# Altium PCB DriversBoard_Bigger.PcbDoc
Units mil, origin at the board's own origin, x right, y up, seen from the top; angles counter-clockwise.
Board outline 5390 x 4470 mil, 2 copper layers (Top Layer, Bottom Layer); 21 components, 0 nets, 175 pads, 12 vias.
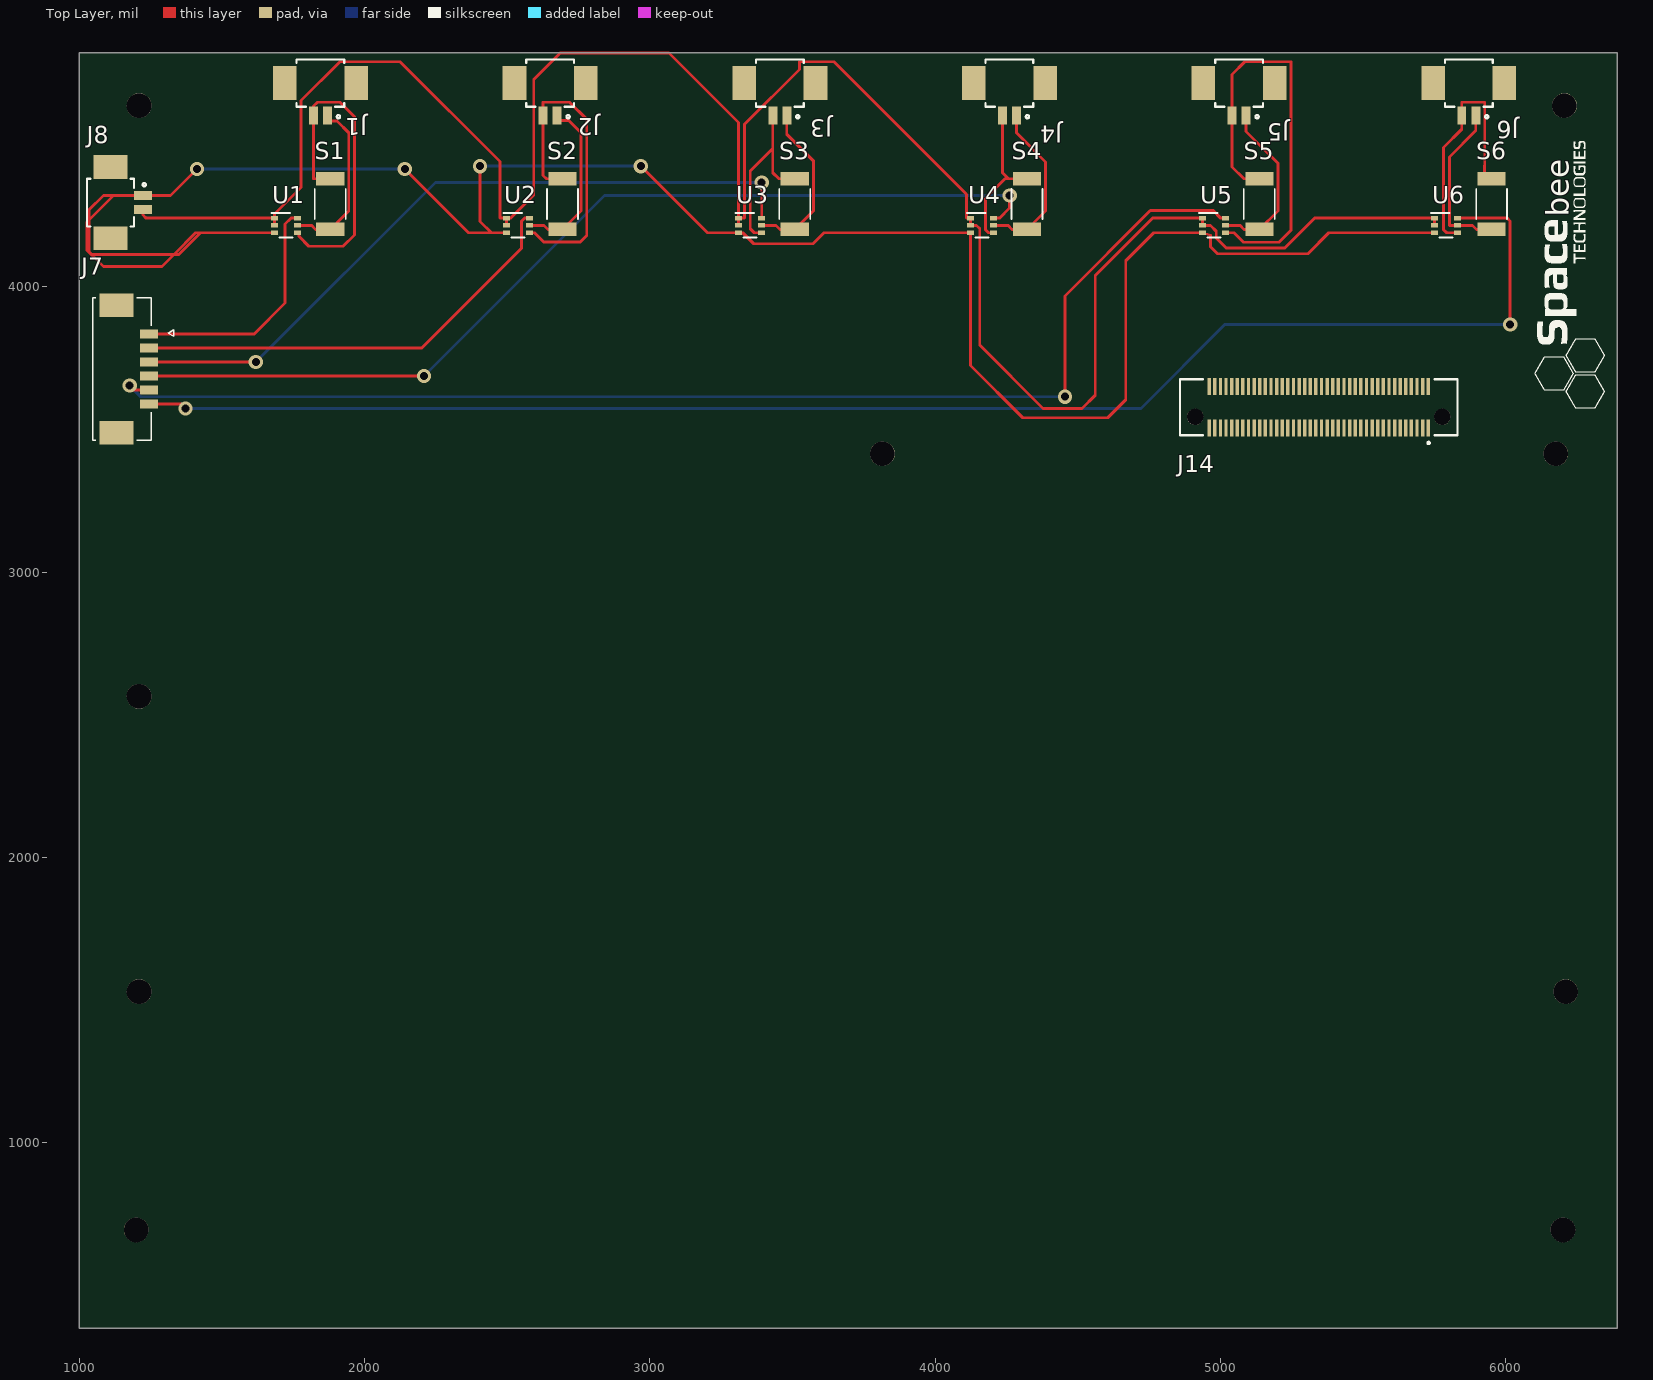
[diagram p0: Top Layer view]
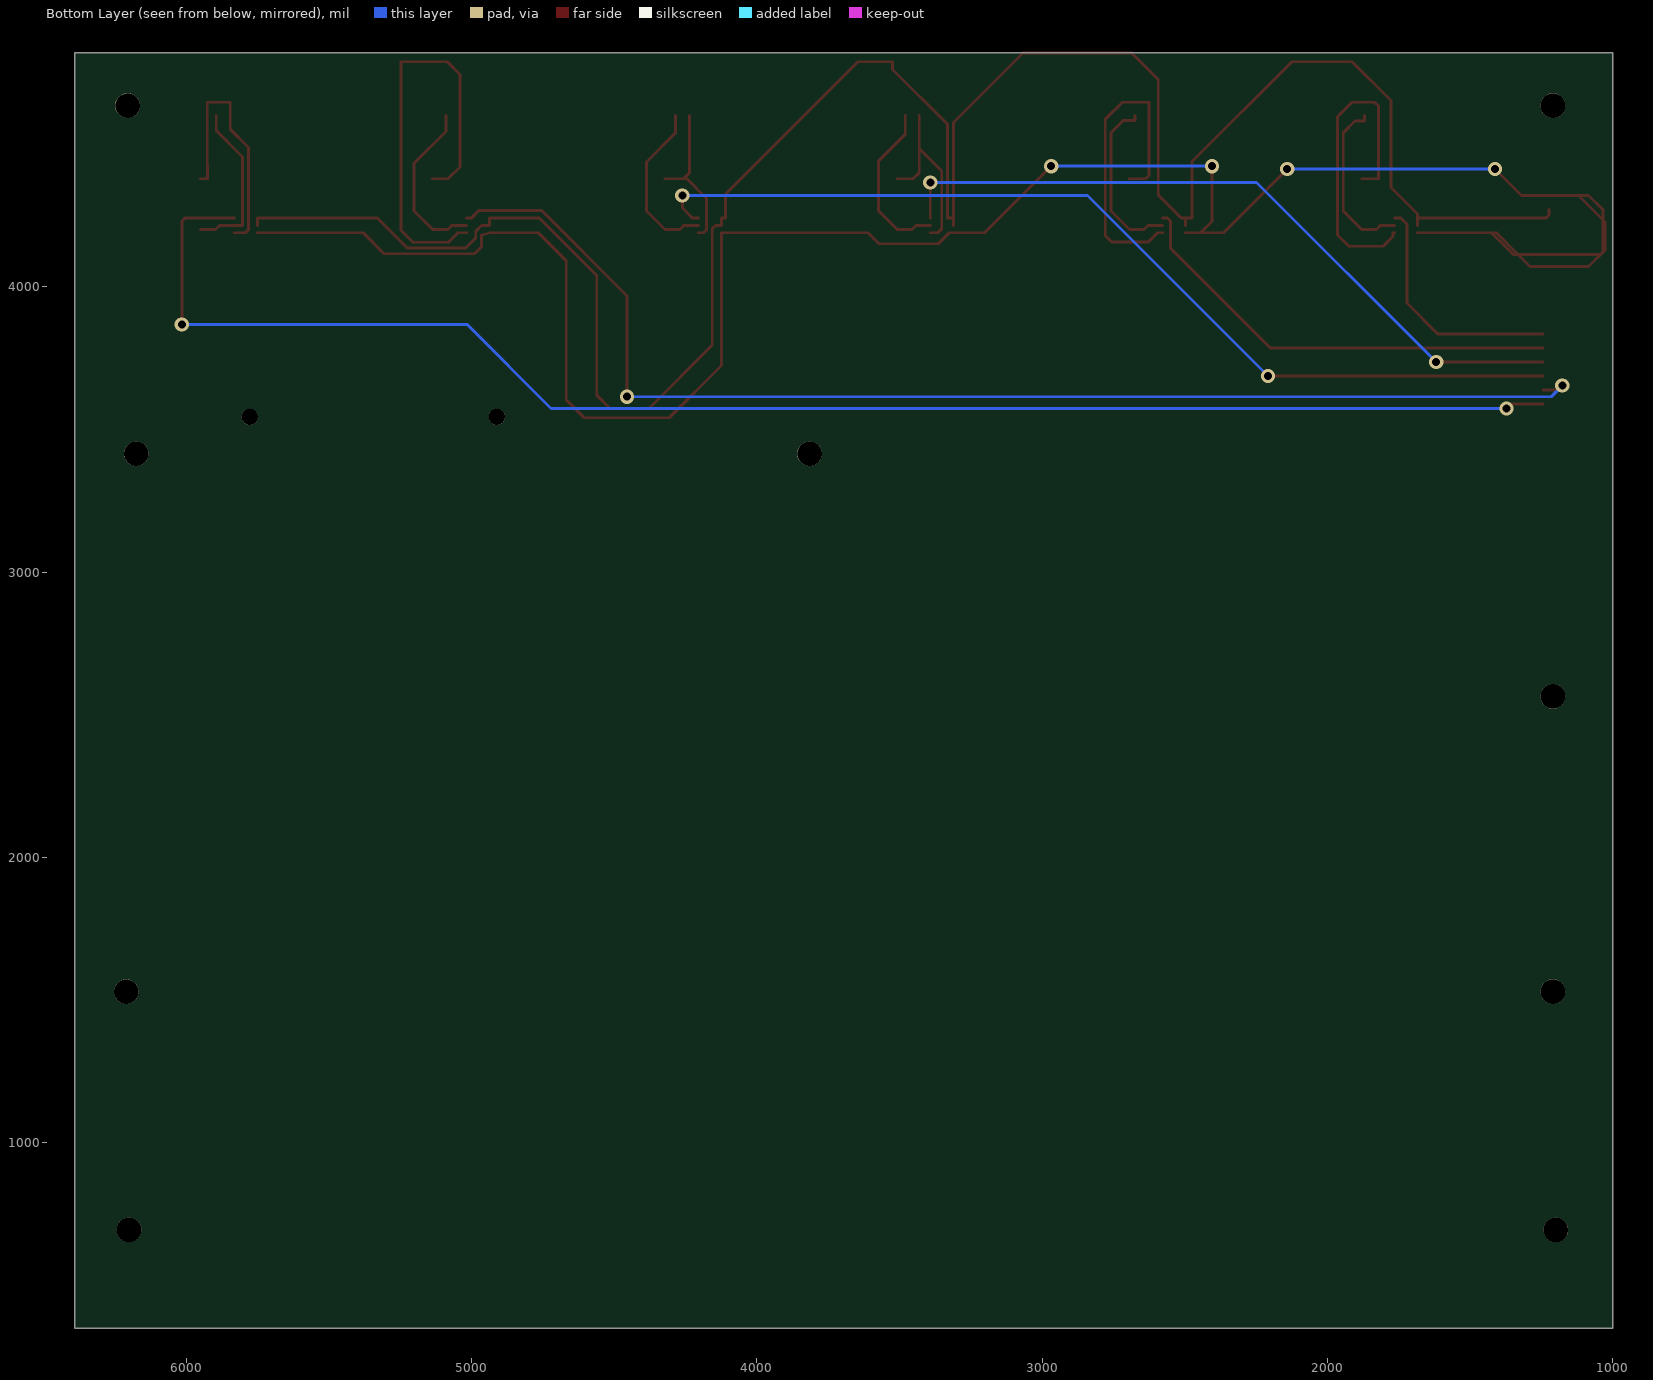
[diagram p1: Bottom Layer view, seen from below]

## Layer stack, top to bottom
Top Solder: solder mask 0.4, Solder Resist, Dk 3.5
Top Layer: signal copper 1.4
Dielectric 1: dielectric 12.6, FR-4, Dk 4.8
Bottom Layer: signal copper 1.4
Bottom Solder: solder mask 0.4, Solder Resist, Dk 3.5

## Board outline
1000,350 6390,350 6390,4820 1000,4820

## Design rules (kind name [scope] priority, off if disabled: settings)
Clearance [All] p1: gap=10 ignorepadtopadclearanceinfootprint=FALSE except(0: Arc-Hole Track-Hole SMDPad-Hole THPad-Hole Via-Hole Fill-Hole Poly-Hole Region-Hole Text-Hole)
PolygonConnect [All] p1: connectstyle=Relief reliefconductorwidth=10 reliefentries=4 polygonreliefangle="90 Angle" airgapwidth=10
RoutingVias [All] p1: holewidth=28 width=50 viastyle="Through Hole" minholewidth=28 minwidth=50 maxholewidth=28 maxwidth=50
SolderMaskExpansion [All] p1: expansion=4
Width [All] p1: maxlimit=10 minlimit=10 preferedwidth=10
30 further rules are at their usual default settings.

## Components (designator, comment, footprint, x,y, rotation, side; value= is the part's Value field where it differs from the comment)
J1 "TSW-102-05-T-S" MOLEX_53261-0271 1845.79,4714.17 r180 top
J2 "TSW-102-05-T-S" MOLEX_53261-0271 2650.63,4714.17 r180 top
J3 "TSW-102-05-T-S" MOLEX_53261-0271 3455.47,4714.17 r180 top
J4 "TSW-102-05-T-S" MOLEX_53261-0271 4260.31,4714.17 r180 top
J5 "TSW-102-05-T-S" MOLEX_53261-0271 5065.16,4714.17 r180 top
J6 "TSW-102-05-T-S" MOLEX_53261-0271 5870,4714.17 r180 top
J7 "Header 6" MOLEX_532610671 1150.51,3711.97 r270 top
J8 "TSW-102-05-T-S" MOLEX_53261-0271 1110,4295 r270 top
J14 "LSHM-140-02.5-L-DV-A-N-K-TR" SAMTEC_LSHM-140-02.5-L-DV-A-N-K-TR 5344.21,3577.83 r0 top
S1 "WSL2010R2000FEA18" RC2010N_VIS 1880,4290 r90 top
S2 "WSL2010R2000FEA18" RC2010N_VIS 2694,4290 r90 top
S3 "WSL2010R2000FEA18" RC2010N_VIS 3508,4290 r90 top
S4 "WSL2010R2000FEA18" RC2010N_VIS 4322,4290 r90 top
S5 "WSL2010R2000FEA18" RC2010N_VIS 5136,4290 r90 top
S6 "WSL2010R2000FEA18" RC2010N_VIS 5950,4290 r90 top
U1 "INA210BQDCKRQ1" DCK0006A_L 1725,4215 r0 top
U2 "INA210BQDCKRQ1" DCK0006A_L 2538,4215 r0 top
U3 "INA210BQDCKRQ1" DCK0006A_L 3351,4215 r0 top
U4 "INA210BQDCKRQ1" DCK0006A_L 4164,4215 r0 top
U5 "INA210BQDCKRQ1" DCK0006A_L 4977,4215 r0 top
U6 "INA210BQDCKRQ1" DCK0006A_L 5790,4215 r0 top

## Footprints (in the part's own frame and the unit in brackets; to place one, negate y for a bottom-side part, rotate by r counter-clockwise, add the part's x,y. Pads: shape width x height; smd on the part's side, far side on the other; paste and mask are expansions set on the pad)
DCK0006A_L [mm]
  rect 0.65x0.4 smd paste+0 mask+0.051: 1(-1.025,0.65) 2(-1.025,0) 3(-1.025,-0.65) 4(1.025,-0.65) 5(1.025,0) 6(1.025,0.65)
  silkscreen extent -1.3,-1.07 0.55,1.1, body extent -0.64,-1.02 0.64,1.02, height 1.1
MOLEX_53261-0271 [mm]
  rect 0.8x1.6 smd: 1(-0.625,2.9) 2(0.625,2.9)
  rect 2.1x3 smd: P1(-3.175,0) P2(3.175,0)
  silkscreen extent -2.12,-2.1 2.12,3.14, body extent -3.82,-2.12 3.83,3.08, height 3.23
MOLEX_532610671 [mm]
  rect 0.8x1.6 smd mask+0: 1(-3.125,2.4) 2(-1.875,2.4) 3(-0.625,2.4) 4(0.625,2.4) 5(1.875,2.4) 6(3.125,2.4)
  rect 2.1x3 smd mask+0: S1(-5.675,-0.5) S2(5.675,-0.5)
  silkscreen extent -6.32,-2.6 6.33,4.61, body extent -6.32,-2.63 6.33,2.57, height 3.38
RC2010N_VIS [mm]
  rect 1.206x2.5 smd paste+0 mask+0: 1(-2.253,0) 2(2.253,0)
  silkscreen extent -1.34,-1.38 1.34,1.38, body extent -2.5,-1.25 2.5,1.25, height 0.71
SAMTEC_LSHM-140-02.5-L-DV-A-N-K-TR [mm]
  rect 0.3x1.5 smd: 01(9.75,-1.85) 02(9.75,1.85) 03(9.25,-1.85) 04(9.25,1.85) 05(8.75,-1.85) 06(8.75,1.85) 07(8.25,-1.85) 08(8.25,1.85) 09(7.75,-1.85) 10(7.75,1.85) 11(7.25,-1.85) 12(7.25,1.85) 13(6.75,-1.85) 14(6.75,1.85) 15(6.25,-1.85) 16(6.25,1.85) 17(5.75,-1.85) 18(5.75,1.85) 19(5.25,-1.85) 20(5.25,1.85) 21(4.75,-1.85) 22(4.75,1.85) 23(4.25,-1.85) 24(4.25,1.85) 25(3.75,-1.85) 26(3.75,1.85) 27(3.25,-1.85) 28(3.25,1.85) 29(2.75,-1.85) 30(2.75,1.85) 31(2.25,-1.85) 32(2.25,1.85) 33(1.75,-1.85) 34(1.75,1.85) 35(1.25,-1.85) 36(1.25,1.85) 37(0.75,-1.85) 38(0.75,1.85) 39(0.25,-1.85) 40(0.25,1.85) 41(-0.25,-1.85) 42(-0.25,1.85) 43(-0.75,-1.85) 44(-0.75,1.85) 45(-1.25,-1.85) 46(-1.25,1.85) 47(-1.75,-1.85) 48(-1.75,1.85) 49(-2.25,-1.85) 50(-2.25,1.85) 51(-2.75,-1.85) 52(-2.75,1.85) 53(-3.25,-1.85) 54(-3.25,1.85) 55(-3.75,-1.85) 56(-3.75,1.85) 57(-4.25,-1.85) 58(-4.25,1.85) 59(-4.75,-1.85) 60(-4.75,1.85) 61(-5.25,-1.85) 62(-5.25,1.85) 63(-5.75,-1.85) 64(-5.75,1.85) 65(-6.25,-1.85) 66(-6.25,1.85) 67(-6.75,-1.85) 68(-6.75,1.85) 69(-7.25,-1.85) 70(-7.25,1.85) 71(-7.75,-1.85) 72(-7.75,1.85) 73(-8.25,-1.85) 74(-8.25,1.85) 75(-8.75,-1.85) 76(-8.75,1.85) 77(-9.25,-1.85) 78(-9.25,1.85) 79(-9.75,-1.85) 80(-9.75,1.85)
  round 1.45 hole 1.45 unplated: ""(-11,-0.85) ""(11,-0.85)
  silkscreen extent -12.35,-3.27 12.35,2.49, body extent -12.48,-2.49 12.32,2.49, height 3.95

## Part data
J1 J2 J3 J4 J5 J6 J8: "No Description Available", Mfr_Name="Samtec Inc", Copyright="Copyright (C) 2022 Ultra Librarian. All rights reserved.", Digi-Key_Part_Number_1=SAM1019-02-ND, Digi-Key_Part_Number_2=TSW-102-05-T-S-NDL, Digi-Key_Part_Number_3=612-TSW-102-05-T-S-ND, Manufacturer_Part_Number=TSW-102-05-T-S, RefDes=RefDes, Type=DEV
J7: "Header, 6-Pin", LatestRevisionDate=17-Jul-2002, LatestRevisionNote="Re-released for DXP Platform.", Publisher="Altium Limited"
J14: "LSHM - Samtec 0.50mm Razor Beam High-Speed Hermaphroditic Terminal / Socket Strip.", Package=None, Availability=Unavailable, MP=LSHM-140-02.5-L-DV-A-N-K-TR, Price=None
S1 S2 S3 S4 S5 S6: "No Description Available", Mfr_Name=Vishay, Copyright="Copyright (C) 2022 Ultra Librarian. All rights reserved.", Manufacturer_Part_Number=WSL2010R2000FEA18, RefDes=RefDes, Type=DEV
U1 U2 U3 U4 U5 U6: "No Description Available", Mfr_Name="Texas Instruments", Copyright="Copyright (C) 2022 Ultra Librarian. All rights reserved.", Manufacturer_Part_Number=INA210BQDCKRQ1, RefDes=RefDes, Type=DEV

## Free pads (board coordinates)
  round 86.61 hole 86.61 unplated: H1(1210,4635) H2(1210,2565) H3(3815,3415) H4(1200,695) H4(1210,1530) H5(6205,4635) H6(6175,3415) H7(6200,695) H7(6210,1530)

## Via types
v1: diameter 50, hole 28, Top Layer to Bottom Layer, 12 vias

## Nets (pads, with @x,y where several pads share a name; then routed paths per layer and width w, separated by ;. In a path a pad name is that pad's centre, name@x,y a point inside that pad or via, vN(x,y) a via of type N, cw(c..) or ccw(c..) an arc to the next point about the centre after c; other vN are vias at no path point)
pads on no net: J1.1 J1.2 J1.P1 J1.P2 J2.1 J2.2 J2.P1 J2.P2 J3.1 J3.2 J3.P1 J3.P2 J4.1 J4.2 J4.P1 J4.P2 J5.1 J5.2 J5.P1 J5.P2 J6.1 J6.2 J6.P1 J6.P2 J7.1 J7.2 J7.3 J7.4 J7.5 J7.6 J7.S1 J7.S2 J8.1 J8.2 J8.P1 J8.P2 J14. J14.01 J14.02 J14.03 J14.04 J14.05 J14.06 J14.07 J14.08 J14.09 J14.10 J14.11 J14.12 J14.13 J14.14 J14.15 J14.16 J14.17 J14.18 J14.19 J14.20 J14.21 J14.22 J14.23 J14.24 J14.25 J14.26 J14.27 J14.28 J14.29 J14.30 J14.31 J14.32 J14.33 J14.34 J14.35 J14.36 J14.37 J14.38 J14.39 J14.40 J14.41 J14.42 J14.43 J14.44 J14.45 J14.46 J14.47 J14.48 J14.49 J14.50 J14.51 J14.52 J14.53 J14.54 J14.55 J14.56 J14.57 J14.58 J14.59 J14.60 J14.61 J14.62 J14.63 J14.64 J14.65 J14.66 J14.67 J14.68 J14.69 J14.70 J14.71 J14.72 J14.73 J14.74 J14.75 J14.76 J14.77 J14.78 J14.79 J14.80 S1.1 S1.2 S2.1 S2.2 S3.1 S3.2 S4.1 S4.2 S5.1 S5.2 S6.1 S6.2 U1.1 U1.2 U1.3 U1.4 U1.5 U1.6 U2.1 U2.2 U2.3 U2.4 U2.5 U2.6 U3.1 U3.2 U3.3 U3.4 U3.5 U3.6 U4.1 U4.2 U4.3 U4.4 U4.5 U4.6 U5.1 U5.2 U5.3 U5.4 U5.5 U5.6 U6.1 U6.2 U6.3 U6.4 U6.5 U6.6
copper on no net: | length 44015.8
  Top Layer w10: v1(1177,3654) 1192.85,3638.15 1245,3638.15 ; 1224.17,4270.39 1224,4270.39 1224,4251.59 1235,4240.59 1684.65,4240.59 ; 1224.17,4319.61 1120.61,4319.61 1035,4234 ; 1245,3588.94 1358.06,3588.94 v1(1373,3574) ; 1245,3687.36 v1(2208.36,3687.36) ; 1245,3736.57 v1(1619.05,3736.57) ; 1245,3785.79 2200.79,3785.79 2550,4135 2550,4230 2560.59,4240.59 2578.35,4240.59 ; 1245,3835 1614,3835 1722,3943 1722,4220 1742.59,4240.59 1765.35,4240.59 ; v1(1413,4413) 1320,4320 1085,4320 1035,4270 1035,4234 ; 1684.65,4189.41 1425.41,4189.41 ; 1684.65,4215 1684.65,4240.59 ; 1765.35,4189.41 1770,4189.41 1770,4177 1805,4142 1925,4142 1965,4182 1965,4596 1914,4647 1835,4647 1821.18,4633.18 1821.18,4600 1821.18,4378.69 1880,4378.69 ; 1765.35,4215 1815,4215 1828.69,4201.31 1880,4201.31 1945,4266.31 1945,4540 1903.71,4581.29 1870.39,4581.29 1870.39,4600 ; v1(2141.41,4413) 2365,4189.41 2445,4189.41 ; v1(2405,4423) 2405,4229.41 2445,4189.41 ; 2497.65,4189.41 2445,4189.41 ; 2497.65,4215 2497.65,4240.59 ; 2578.35,4189.41 2595.59,4189.41 2628,4157 2756,4157 2779,4180 2779,4587 2719,4647 2626.02,4647 2626.02,4600 2626.02,4390 2637.33,4378.69 2694,4378.69 ; 2578.35,4215 2629,4215 2642.69,4201.31 2694,4201.31 2759,4266.31 2759,4540 2716.06,4582.94 2675.24,4582.94 2675.24,4600 ; v1(2968.41,4423) 3202,4189.41 3310.65,4189.41 3325.93,4189.41 3364.34,4151 3572,4151 3610.41,4189.41 4123.65,4189.41 4124,4189.41 4124,3724 4307,3541 4605,3541 4668,3604 4668,4091.41 4766,4189.41 4936.65,4189.41 4964.77,4180.64 4964.77,4140.64 4989.41,4116 5306,4116 5379.41,4189.41 5749.65,4189.41 ; 3310.65,4215 3310.65,4240.59 3311,4240.59 ; 3391.35,4189.41 3366.15,4189.41 3352,4203.56 3352,4406 3430.87,4484.87 ; 3391.35,4215 3442,4215 3455.69,4201.31 3508,4201.31 3573,4266.31 3573,4442 3480.08,4534.92 3480.08,4600 ; 3391.35,4240.59 3392,4240.59 v1(3392,4366) ; 3430.87,4600 3430.87,4484.87 ; 3508,4378.69 3452.17,4378.69 3430.87,4400 3430.87,4484.87 ; 4204.35,4189.41 4186.59,4189.41 4176,4200 4176,4309.69 4245,4378.69 4257.02,4378.69 ; 4204.35,4215 4256,4215 4269.69,4201.31 4322,4201.31 4387,4266.31 4387,4438 4284.92,4540.08 4284.92,4600 ; 4204.35,4240.59 4225,4240.59 4261,4276.59 v1(4261,4320) ; 4235.71,4600 4235.71,4400 4257.02,4378.69 ; 4322,4378.69 4257.02,4378.69 ; v1(4455,3615) 4455,3968 4754,4267 4974.59,4267 5001,4240.59 5017.35,4240.59 ; 5017.35,4189.41 5047,4189.41 5080.41,4156 5205,4156 5247,4198 5247,4789 5085,4789 5040.55,4744.55 5040.55,4600 5040.55,4420 5081.86,4378.69 5136,4378.69 ; 5017.35,4215 5069,4215 5082.69,4201.31 5136,4201.31 5201,4266.31 5201,4433 5089.76,4544.24 5089.76,4600 ; 5749.65,4215 5749.65,4240.59 5329.59,4240.59 5225,4136 5020,4136 4985,4171 4985,4195 4965,4215 4936.65,4215 4936.65,4240.59 4761.59,4240.59 4561,4040 4561,3620 4515,3574 4378,3574 4156,3796 4156,4204 4145,4215 4123.65,4215 4123.65,4240.59 4109.82,4240.59 4109.82,4324.18 3645,4789 3524,4789 3524,4762 3332,4570 3332,4240.59 3311,4240.59 ; 5830.35,4189.41 5792.59,4189.41 5782,4200 5782,4488.61 5845.39,4552 5845.39,4600 5845.39,4647 5926,4647 5926,4426 5925,4425 5925,4378.69 5950,4378.69 ; 5830.35,4240.59 6005,4240.59 6015,4230.59 v1(6015,3868) ; 5894.61,4600 5894.61,4547.61 5802,4455 5802,4215 5830.35,4215 5883,4215 5896.69,4201.31 5950,4201.31 ; 1035,4234 1028,4227 1028,4128 1085,4071 1290,4071 1332,4113 ; 1035,4234 1035,4123 1045,4113 1332,4113 ; 1332,4113 1408.41,4189.41 1425.41,4189.41 ; 1332,4113 1349,4113 1425.41,4189.41 ; 1684.65,4240.59 1684.65,4254.65 1778,4348 1778,4653 1914,4789 2125,4789 2475,4439 2475,4240.59 2497.65,4240.59 ; 2497.65,4240.59 2512.17,4240.59 2593,4321.42 2593,4727 2686,4820 3067,4820 3311,4576 3311,4240.59
  Bottom Layer w10: v1(1177,3654) 1216,3615 v1(4455,3615) ; v1(1373,3574) 4721,3574 5015,3868 v1(6015,3868) ; v1(1413,4413) v1(2141.41,4413) ; v1(1619.05,3736.57) 2248.47,4366 v1(3392,4366) ; v1(2208.36,3687.36) 2841,4320 v1(4261,4320) ; v1(2405,4423) v1(2968.41,4423)

## Other copper
Top Layer:
  pour cut-out: 1920,4010 6015,4010 6015,3315 1920,3315
  pour cut-out: 985,3315 6380,3315 6380,350 985,350
Bottom Layer:
  pour cut-out: 1925,4015 6020,4015 6020,3320 1925,3320
  pour cut-out: 995,3310 6390,3310 6390,350 995,350

## Silkscreen, mask and mechanical layers (free items; w line width, h text height)
Top Overlay:
  drawing of 20 lines, arcs and shapes, not listed
  text "bee" at 6220.57,4245.73 h78.74 r90
Mechanical 1:
  lines w10: 1004.99,4960 1005.01,4980 ; 1064.98,4949.94 1005,4970 ; 1065.02,4989.94 1005,4970 ; 3306.62,4967.87 1005,4970 ; 4098.38,4967.13 6400,4965 ; 6339.98,4945.06 6400,4965 ; 6340.02,4985.06 6400,4965 ; 6399.99,4955 6400.01,4975 ; 6600,425 6620,365 ; 6600,4750 6620,4810 ; 6610,365 6630,365 ; 6610,4810 6630,4810 ; 6620,2306.59 6620,365 ; 6620,2868.41 6620,4810 ; 6640,425 6620,365 ; 6640,4750 6620,4810
  text "5395.002 (mil)" at 3316.59,4931.87 h60 r359.95
  text "4445 (mil)" at 6655.99,2316.59 h60 r90